# Allegro board FMDEMOD-57.brd (continued)
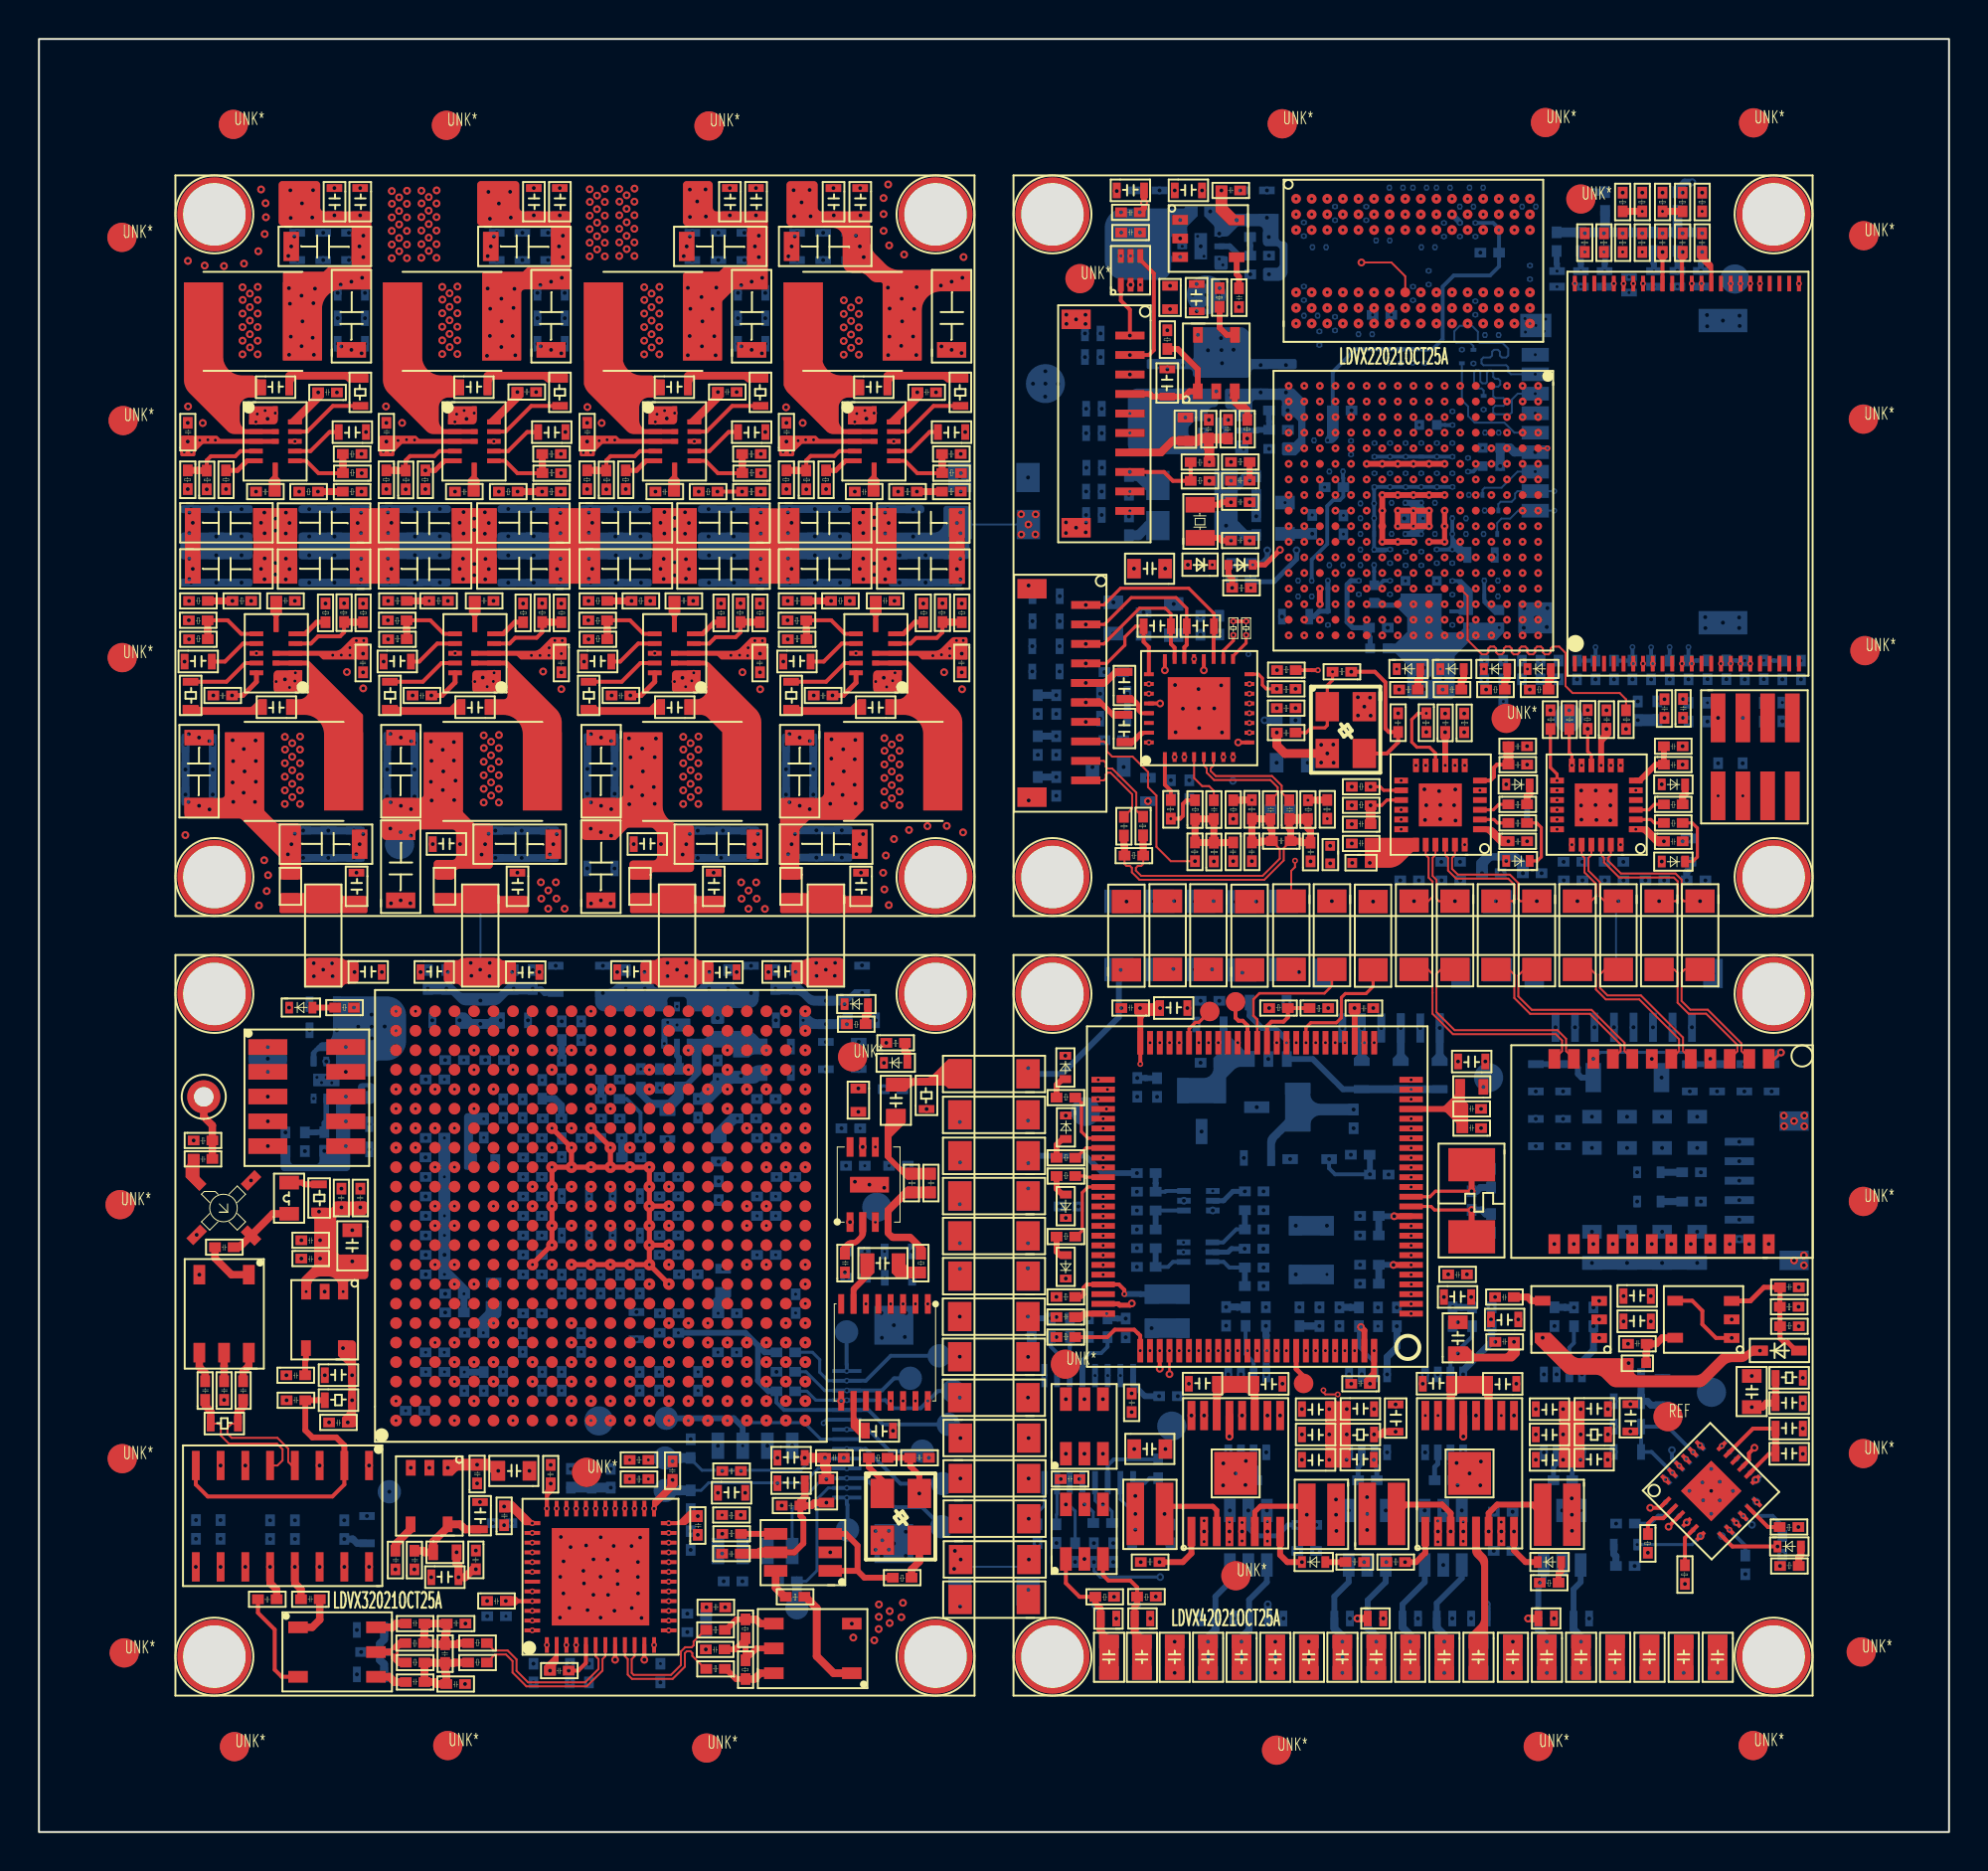
[diagram p0: board, top side]
## Nets (continued)
VDD_ARM_CAP: C323.1 C353.1 C355.1 C356.1 C357.1 U10.G9 U10.G10 U10.G11 U10.H11
VDD_COIN_3V: D2.2 R48.1 UNK3VBATTERY1.1
VDD_HIGH_CAP: C310.1 C317.1 C389.1 C396.1 U10.N6 U10.R14 U10.R15
VDD_HIGH_IN: C392.1 C405.1 L32.2 U10.N13
VDD_SNVS_3V3: C2.2 C3.2 D1.2 U1.5(\OUT\)
VDD_SNVS_IN: C363.1 D1.1(\CATHODE\) D2.1(\CATHODE\) R48.2 U10.P12
VDD_SOC_CAP: C311.1 C312.1 C313.1 C314.1 C315.1 C316.1 C320.1 C321.1 C352.1 C354.1 C358.1 U10.G8 U10.H8 U10.J8 U10.J11 U10.K8 U10.K11 U10.L8 U10.L9 U10.L10 U10.L11
VDD_SOC_IN: C295.2 C296.2 C318.1 C319.1 C324.1 C350.1 C351.1 R219.1 R221.2 R224.1 U10.H9 U10.H10 U10.J9 U10.J10 U10.K9 U10.K10 U35.1
VDD_SOC_IN_IN: C297.2 C298.2 R219.2 TP9.1(\TP\) U35.4 U35.6
VDD_SOC_IN_PWR: C8.2 C9.2 C19.2 C25.2 C40.1 C263.2 C264.2 C265.2 C275.2 C283.2 C290.2 L4.2 R19.2
VDDA_ADC_3P3: C362.1 C391.1 L28.2 U10.L13 U10.M13
232_TXD: R179.2 R345.1 R368.2
A0: U2.N3 U10.L5
A1: U2.P7 U10.H2
A2: U2.P3 U10.K1
A3: U2.N2 U10.M2
A4: U2.P8 U10.K4
A5: U2.P2 U10.L1
A6: U2.R8 U10.G2
A7: U2.R2 U10.H4
A8: U2.T8 U10.J4
A9: U2.R3 U10.L2
A10: U2.L7 U10.M4
A11: U2.R7 U10.K3
A12: U2.N7 U10.L4
A13: U2.T3 U10.H3
A14: U2.T7 U10.G1
A15: U2.M7 U10.K5
A_DEMP: U20.AA3 U24.13
A_FMT: U20.AA4 U24.15
A_MUTE: U20.AB3 U24.14
AD0: U20.Y2 U33.18
AD1: U20.Y1 U33.19
AD2: U20.W2 U33.20
AD3: U20.W1 U33.21
AD4: U20.V2 U33.22
AD5: U20.V1 U33.26
AD6: U20.U2 U33.27
AD7: U20.U1 U33.28
AD8: U20.R2 U33.32
AD9: U20.R1 U33.33
AD10: U20.P2 U33.34
AD11: U20.P1 U33.35
AD12: U20.N2 U33.39
AD13: U20.N1 U33.40
AD14: U20.M2 U33.41
AD15: U20.M1 U33.42
AD_DITH: U20.AA1 U33.17
AD_PGA: U20.R5 U33.47
AD_RAND: U20.R6 U33.46
ADC_3V3: C213.2 C214.2 C218.2 C613.2 C616.2 C637.2 C638.2 C639.2 C640.2 L22.2 U33.1 U33.3 U33.4(\VDD#4\) U33.12 U33.13 U33.14
AIN+: R194.1 U33.6
AIN-: R196.1 U33.7
ARM_ONOFF: R90.2 R119.1 U10.R8
ASDO: J9.7 TP19.1(\TP\) U20.D1 U49.5
AUD_INT: U10.P9 U15.15
AUDIO_5V: C491.2 C507.2 C508.2 C540.1 C541.2 C551.2 C552.1 L18.2 U18.3 U18.6 U24.6
AUDIO_OUT: R114.1 R138.1
BA0: U2.M2 U10.M1
BA1: U2.N8 U10.H1
BA2: U2.M3 U10.K2
BOOT0: R343.2 R344.2 U19.94
BOOT1: R134.1 R135.1 U19.37
BOOT_MODE0: R226.2 R227.2 U10.T10
BOOT_MODE1: R232.2 R233.2 U10.U10
CAS: U2.K3 U10.J2
CK0N: R211.1 U2.K7 U10.P2
CK0P: R211.2 U2.J7 U10.P1
CKE0: R199.2 U2.K9 U10.M3
CKE1: R200.2 U2.J9 U10.J3
CLK2FPGA: R177.2 U20.G1
CLK_3V3: C193.2 C204.2 C206.2 C210.2 L21.2 R166.2 U32.5(\VCC\) Y4.4(\VCC\)
CLK_AD+: R167.2 U20.T2
CLK_AD-: R169.2 U20.T1
CLKO+: R167.1 U33.30
CLKO-: R169.1 U33.29
CONF_DONE: J9.13 R375.1 TP26.1(\TP\) U20.M18
CPU_RST_FPGA: R118.1 U10.N17
CPU_RST_MCU: R281.2 U10.M15
CPU_UART1_RXD: U3.6 U10.K16
CPU_UART1_TXD: U3.3 U10.K14
CPU_UART2_RXD: R285.2 R312.1 R329.1
CPU_UART2_TXD: R284.2 R318.1 R322.1
CPU_UART3_RXD: R117.2 U10.H16
CPU_UART3_TXD: R283.2 U10.H17
CPU_UART4_RXD: R282.1 U10.G16
CPU_UART4_RXD_X: R282.2 R336.1 R376.1
CPU_UART4_TXD: R286.1 U10.G17
CPU_UART4_TXD_X: R286.2 R296.1 R330.1
CS0: U2.L2 U10.N2
CS1: U2.L1 U10.H5
D0: U2.E3 U10.T4
D1: U2.F7 U10.U6
D2: U2.F2 U10.T6
D3: U2.F8 U10.U7
D4: U2.H3 U10.U8
D5: U2.H8 U10.T8
D6: U2.G2 U10.T5
D7: U2.H7 U10.U4
D8: U2.D7 U10.U2
D9: U2.C3 U10.U3
D10: U2.C8 U10.U5
D11: U2.C2 U10.R4
D12: U2.A7 U10.P5
D13: U2.A2 U10.P3
D14: U2.B8 U10.R2
D15: U2.A3 U10.R1
DATA0: J9.9 R174.1 TP21.1(\TP\) U20.K1
DCDC_3V3: C13.1 C14.2 C15.2 C16.2 C92.2 C93.2 C247.1 C248.1 C418.1 J5.4 L11.1 L23.1 L24.1 L25.1 L26.1 L27.1 L28.1 L29.1 L30.1 L32.1 L33.1 R2.1 R3.1 R21.2 R73.1 R74.1 R82.1 R83.1 R84.1 R85.1 R90.1 R205.1 R206.1 R207.1 R208.1 R209.1 R210.1 R226.1 R232.1 R245.1 R248.1 R255.1 R257.1 R260.1 TP10.1(\TP\) U3.5(\VCC\) U9.12 U9.34 U9.37 U9.39
DCDC_3V3_PWR: C6.2 C7.2 C18.2 C24.2 C39.1 C266.2 C267.2 C268.2 C276.2 C284.2 C291.2 L3.2 R18.2
DCDC_5V: C1.2 C12.2 C21.1 C398.2 L1.1 L6.1 L31.1 R10.1 R11.1 TP8.1(\TP\) U1.1 U1.3 U4.5
DCDC_5V_PWR: C4.2 C5.2 C17.2 C23.2 C38.1 C269.2 C270.2 C271.2 C277.2 C285.2 C292.2 L2.2 R17.2
DCLK: J9.8 TP17.1(\TP\) U20.K2 U49.6
DQM0: U2.E7 U10.T7
DQM1: U2.D3 U10.T3
DRAM_1V35: C245.1 C246.1 C249.2 C250.2 C253.1 C254.1 C255.1 C256.1 C258.1 C259.1 C274.1 C278.1 C279.1 C280.1 C282.1 C286.1 C287.1 C288.1 C289.1 C293.1 C303.1 C304.1 C305.1 C306.1 C307.1 C308.1 R202.1 R204.2 R214.1 R215.2 U2.A1 U2.A8 U2.B2 U2.C1 U2.C9 U2.D2 U2.D9 U2.E9 U2.F1 U2.G7 U2.H2 U2.H9 U2.K2 U2.K8 U2.N1 U2.N9 U2.R1 U2.R9 U10.G6 U10.H6 U10.J6 U10.K6 U10.L6 U10.M6 U34.1
DRAM_1V35_IN: C251.2 C252.2 R202.2 TP5.1(\TP\) U34.4 U34.6
DRAM_1V35_PWR: C10.2 C11.2 C20.2 C26.2 C41.1 C260.2 C261.2 C262.2 L5.2 R20.2
DRAM_VREF: C257.1 C273.1 C293.2 C294.1 C299.1 C302.1 R215.1 R216.2 U2.H1 U2.M8 U10.P4
E1R+: R128.2 T1.2
E1R-: R127.2 T1.3
E1T+: R126.2 T1.5
E1T-: R125.2 T1.6
E2R+: R124.2 T1.8
E2R-: R123.2 T1.9
E2T+: R122.2 T1.11
E2T-: R121.2 T1.12
ECSPI3_CS0: R284.1 U10.J17
ECSPI3_MISO: R116.1 U10.H14
ECSPI3_MOSI: R115.1 U10.J15
ECSPI3_SCLK: R285.1 U10.J16
ENC1_A: C629.1 C629.2 D50.2 U52.3
ENC1_A_BUF: U19.24 U52.4
ENC1_B: C628.1 C628.2 D49.2 U52.1
ENC1_B_BUF: U19.23 U52.6
ENC2_A: C633.1 C633.2 D53.2 U53.3
ENC2_A_BUF: U19.90 U53.4
ENC2_B: C632.1 C632.2 D52.2 U53.1
ENC2_B_BUF: U19.91 U53.6
ENC3_A: C623.1 C623.2 D45.2 U50.3
ENC3_A_BUF: U19.42 U50.4
ENC3_B: C622.1 C622.2 D44.2 U50.1
ENC3_B_BUF: U19.40 U50.6
ENC4_A: C627.1 C627.2 D48.2 U51.3
ENC4_A_BUF: U19.60 U51.4
ENC4_B: C626.1 C626.2 D47.2 U51.1
ENC4_B_BUF: U19.59 U51.6
ENC+: R197.2 U33.9
ENC-: R192.2 U33.10
ENET1_CRS_DV: U10.E16 U17.11
ENET1_LED1: R99.1 U17.3
ENET1_LED2: R108.1 U17.2
ENET1_NINT: R265.1 U10.N8 U17.14
ENET1_NRST: C430.1 R270.1 U10.N10 U17.15
ENET1_RX+: J6.8 T1.23
ENET1_RX-: J6.7 T1.22
ENET1_RXD0: U10.F16 U17.8
ENET1_RXD1: U10.E17 U17.7
ENET1_RXER: R93.2 U10.D15 U17.10
ENET1_RXN: R127.1 R276.1 U17.22
ENET1_RXP: R128.1 R275.1 U17.23
ENET1_TX+: J6.6 T1.20
ENET1_TX-: J6.5 T1.19
ENET1_TX_CLK: R94.2 U10.F14
ENET1_TXD0: U10.E15 U17.17
ENET1_TXD1: U10.E14 U17.18
ENET1_TXEN: U10.F15 U17.16
ENET1_TXN: R125.1 R278.1 U17.20
ENET1_TXP: R126.1 R277.1 U17.21
ENET2_CRS_DV: U10.B17 U16.11
ENET2_LED1: R98.1 U16.3
ENET2_LED2: R107.1 U16.2
ENET2_NINT: R97.1 U10.N11 U16.14
ENET2_NRST: C110.1 R100.1 U10.N9 U16.15
ENET2_RX+: J6.4 T1.17
ENET2_RX-: J6.3 T1.16
ENET2_RXD0: U10.C17 U16.8
ENET2_RXD1: U10.C16 U16.7
ENET2_RXER: R95.1 U10.D16 U16.10
ENET2_RXN: R123.1 R274.1 U16.22
ENET2_RXP: R124.1 R273.1 U16.23
ENET2_TX+: J6.2 T1.14
ENET2_TX-: J6.1 T1.13
ENET2_TX_CLK: R96.2 U10.D17
ENET2_TXD0: U10.A15 U16.17
ENET2_TXD1: U10.A16 U16.18
ENET2_TXEN: U10.B15 U16.16
ENET2_TXN: R121.1 R280.1 U16.20
ENET2_TXP: R122.1 R279.1 U16.21
ENET_MDC: R91.1 U10.L16 U16.13 U17.13
ENET_MDIO: R92.1 U10.K17 U16.12 U17.12
FPGA_RST_CPU: R190.2 U20.AB7
FPGA_RST_MCU: R152.2 U20.AB9
FPGA_SPI2_CS: R147.2 U20.AA15
FPGA_SPI2_MISO: R333.2 U20.AB14
FPGA_SPI2_MOSI: R149.2 U20.AA14
FPGA_SPI2_SCLK: R325.2 U20.AB15
FPGA_SPI_CS: R318.2 U20.AB16
FPGA_SPI_MISO: R143.2 U20.AA16
FPGA_SPI_MOSI: R141.2 U20.AA17
FPGA_SPI_SCLK: R312.2 U20.AB17
FPGA_UART2_RXD: R158.2 U20.V5
FPGA_UART2_TXD: R160.2 U20.V4
FPGA_UART_RXD: R296.2 U20.AB18
FPGA_UART_TXD: R376.2 U20.Y3
GPIO1_IO1: D5.1(\CATHODE\) U10.L15
GPIO1_IO2: D6.1(\CATHODE\) U10.L14
GPIO1_IO3: D3.1(\CATHODE\) U10.L17
GPIO1_IO4: D4.1(\CATHODE\) U10.M16
HP_L: C97.1 U15.31
HP_R: C83.1 U15.29
HPD: R268.1 R269.1 U15.7
I2C2_SCL: R74.2 U10.F17 U15.17
I2C2_SDA: R73.2 U10.G13 U15.18
I2S_BCK: U20.Y4 U24.1
I2S_DATA: U20.AB5 U24.2
I2S_LRCK: U20.AA5 U24.3
I2S_SCK: U20.AB4 U24.16
IO2: J4.2 U20.A18
IO3: J4.3 U20.A17
IO4: J4.4 U20.A16
IO5: J4.5 U20.A15
IO6: J4.6 U20.B15
IO7: J4.7 U20.B16
IO8: J4.8 U20.B17
IO9: J4.9 U20.B18
LASER_TXD: R168.2 R335.1 R372.2
LCD_DATA0: R1.2 R2.2 U10.B9
LCD_DATA1: R3.2 R4.2 U10.A9
LCD_DATA2: R5.2 U10.E10
LCD_DATA3: R8.2 U10.D10
LCD_DATA4: R9.2 U10.C10
LCD_DATA5: R241.1 R242.2 U10.B10
LCD_DATA6: R237.2 R238.1 U10.A10
LCD_DATA7: R236.2 R258.1 U10.D11
LCD_DATA8: R244.2 U10.B11
LCD_DATA9: R243.2 U10.A11
LCD_DATA10: R7.2 U10.E12
LCD_DATA11: R239.2 R240.1 U10.D12
LCD_DATA12: R259.2 U10.C12
LCD_DATA13: R247.2 R248.2 U10.B12
LCD_DATA14: R245.2 R246.2 U10.A12
LCD_DATA15: R6.2 U10.D13
LCD_DATA16: R261.2 U10.C13
LCD_DATA17: R251.2 U10.B13
LCD_DATA18: R249.2 U10.A13
LCD_DATA19: R253.2 U10.D14
LCD_DATA20: R262.2 U10.C14
LCD_DATA21: R252.2 U10.B14
LCD_DATA22: R250.2 U10.A14
LCD_DATA23: R256.2 U10.B16
LDO_3V3: C207.2 C212.2 L22.1 U29.5(\OUT\)
LED1: R136.1 U20.AB20
LED2: R137.1 U20.AB19
LED3: R133.1 U20.B22
LIMIT_SW1: U19.80 U31.4
LIMIT_SW2: U19.77 U31.6
LIMIT_SW3: U19.67 U25.4
LIMIT_SW4: U19.70 U25.6
M1_DRV+: C226.1 C226.2 U26.2
M1_DRV-: C227.1 C227.2 U26.4
M1_I_ADC: C567.1 R339.2 U19.17
M1_PWM+: U19.64 U26.10
M1_PWM-: U19.35 U26.9
M2_DRV+: C229.1 C229.2 U26.7
M2_DRV-: C228.1 C228.2 U26.5
M2_I_ADC: C574.1 R342.2 U19.16
M2_PWM+: U19.65 U26.16
M2_PWM-: U19.36 U26.15
M3_DRV+: C232.1 C232.2 U27.2
M3_DRV-: C233.1 C233.2 U27.4
M3_I_ADC: C571.1 R341.2 U19.15
M3_PWM+: U19.44 U27.16
M3_PWM-: U19.43 U27.15
M4_DRV+: C235.1 C235.2 U27.7
M4_DRV-: C234.1 C234.2 U27.5
M4_I_ADC: C569.1 R340.2 U19.18
M4_PWM+: U19.63 U27.9
M4_PWM-: U19.32 U27.10
MCU_LED1: R144.1 U19.58
MCU_LED2: R140.1 U19.57
MCU_LED3: R150.1 U19.62
MCU_LED4: R145.1 U19.61
MCU_RST_CPU: R120.1 R190.1 R309.1 U19.33
MCU_RST_FPGA: R155.1 R328.1 U19.66
MCU_SPI2_MISO: R333.1 U19.53
MCU_SPI2_MOSI: R149.1 U19.54
MCU_SPI2_NSS: R147.1 U19.51
MCU_SPI2_SCK: R325.1 U19.52
MCU_UART1_RXD: R283.1 U19.69
MCU_UART1_TXD: R117.1 U19.68
MCU_UART3_RXD: R331.1 U19.56
MCU_UART3_TXD: R324.1 U19.55
MCU_UART4_RXD: R160.1 R338.1 U19.79
MCU_UART4_TXD: R158.1 R332.1 U19.78
MIC1_IN: J2.8 R111.2 R114.2
MIC1P: C107.2 U15.4
MIC2N: C108.2 U15.5
MIC2N_IN: J2.9 R110.1
MIC2N_IN2: C108.1 C111.2 C122.1 R104.2 R110.2 R113.1
MIC2P: C109.2 U15.6
MIC2P_IN: J2.10 R109.2
MIC2P_IN2: C109.1 C111.1 C123.2 R105.1 R109.1 R113.2
MICBIAS: R101.1 U15.1
MSEL0: R314.1 R319.2 U20.M17
MSEL1: R307.2 R311.1 U20.L18
MSEL2: R310.1 R313.2 U20.L17
MSEL3: R294.2 R295.1 U20.K20
NAND_ALE: U9.17 U10.B4
NAND_CLE: U9.16 U10.A4
NAND_D0: U9.29 U10.D7
NAND_D1: U9.30 U10.B7
NAND_D2: U9.31 U10.A7
NAND_D3: U9.32 U10.D6
NAND_D4: U9.41 U10.C6
NAND_D5: U9.42 U10.B6
NAND_D6: U9.43 U10.A6
NAND_D7: U9.44 U10.A5
NAND_DQS: U9.35 U10.E6
NAND_NCE0: R255.2 U9.9 U10.C5
NAND_NRDY: R257.2 U9.7 U10.A3
NAND_NRE: U9.8 U10.D8
NAND_NWE: U9.18 U10.C8
NAND_NWP: R260.2 U9.19(\W\\P\\\) U10.D5
NCE: J9.10 R357.1 TP20.1(\TP\) U20.L3
NCONFIG: J9.11 R362.1 TP22.1(\TP\) U20.K5
NCSO: J9.12 TP24.1(\TP\) U20.E2 U49.1
NFAULT12: D20.1(\CATHODE\) U19.87 U26.8
NFAULT34: D21.1(\CATHODE\) U19.89 U27.8
NRST_CPU: C46.1 R21.1 R120.2 U10.P8(\P\\O\\R\\\)
NRST_FPGA: R155.2 R337.2 U20.AB8
NRST_MCU: C504.2 D40.2(\K\) R152.1 R281.1 R323.2 U19.14
NSLEEP12: R180.1 U19.71 U26.1
NSLEEP34: R182.1 U19.88 U27.1
NSTATUS: R351.2 U20.K6
NVCC_CSI: C300.1 L23.2 U10.F4
NVCC_ENET: C393.1 C400.1 L30.2 U10.F13
NVCC_GPIO: C360.1 L27.2 U10.J13
NVCC_LCD: C388.1 C395.1 L29.2 U10.E13
NVCC_NAND: C309.2 L25.2 U10.E7
NVCC_SD: C301.1 L24.2 U10.C4
NVCC_UART: C359.1 L26.2 U10.H13
ODT0: U2.K1 U10.N1
ODT1: U2.J1 U10.F1
OSCIN: C527.2 R326.1 U19.12 Y3.2
OSCOUT: C513.2 R326.2 U19.13 Y3.1
PHY1_3V3: C113.1 C444.1 L34.2 R275.2 R276.2 R277.2 R278.2 U17.1 U17.19
PHY2_3V3: C112.1 C114.1 L12.2 R273.2 R274.2 R279.2 R280.2 U16.1 U16.19
PHY_UART_RX1: R165.2 R348.1 R371.2
PMIC_ON_REQ: R225.2 U10.T9
POWER_GOOD: R32.1 R44.2 R45.1 R46.2 R47.1 U6.5 U7.9 U8.9
PT100-1: J7.2 R299.2 U19.29
PT100-2: J7.4 R298.2 U19.30
PT100-3: J7.6 R297.2 U19.31
RAS: U2.J3 U10.M5
RSSI: C605.1 TP23.1(\TP\) U30.16
RST_B: R213.2 U2.T2 U10.G4
SAI2_BCLK: U10.N16 U15.12
SAI2_MCLK: U10.P14 U15.11
SAI2_RXD: R81.1 U10.M14 U15.16
SAI2_SYNC: U10.N15 U15.13
SAI2_TXD: U10.N14 U15.14
SD1_CD: D31.1 J5.9 R210.2 U10.J14
SD1_CLK: R218.1 U10.C1
SD1_CMD: R229.1 U10.C2
SD1_DATA0: R220.1 U10.B3
SD1_DATA1: R217.1 U10.B2
SD1_DATA2: R235.1 U10.B1
SD1_DATA3: R230.1 U10.A2
SDQS0N: C281.2 U2.G3 U10.P7
SDQS0P: C281.1 U2.F3 U10.P6
SDQS1N: C272.2 U2.B7 U10.T2
SDQS1P: C272.1 U2.C7 U10.T1
SDWE: U2.L3 U10.J1
SMTR1_ADEC: U19.86 U48.19
SMTR1_DEC0: U19.97 U48.22
SMTR1_DEC1: U19.95 U48.24
SMTR1_DIR: U19.85 U48.13
SMTR1_I0: U19.93 U48.20
SMTR1_I1: U19.98 U48.21
SMTR1_M0: U19.82 U48.8
SMTR1_M1: U19.83 U48.9
SMTR1_NFAULT: D43.1(\CATHODE\) U19.81 U48.7
SMTR1_NSLEEP: U19.96 U48.23
SMTR1_PWM: U19.25 U48.12
SMTR1_TOFF_SEL: U19.84 U48.10
SMTR2_ADEC: U19.48 U28.19
SMTR2_DEC0: U19.7 U28.22
SMTR2_DEC1: U19.4 U28.24
SMTR2_DIR: U19.47 U28.13
SMTR2_I0: U19.9 U28.20
SMTR2_I1: U19.8 U28.21
SMTR2_M0: U19.1 U28.8
SMTR2_M1: U19.2 U28.9
SMTR2_NFAULT: D19.1(\CATHODE\) U19.46 U28.7
SMTR2_NSLEEP: U19.5 U28.23
SMTR2_PWM: U19.26 U28.12
SMTR2_TOFF_SEL: U19.3 U28.10
SPK_LN: C73.2 C406.2 J2.3 U15.23
SPK_LP: C73.1 C407.2 J2.4 U15.25
SPK_RN: C74.2 C394.1 J2.1 U15.19
SPK_RP: C74.1 C402.1 J2.2 U15.22
STEP1A_DRV1: C618.1 C618.2 U48.1
STEP1A_DRV2: C619.1 C619.2 U48.3
STEP1B_DRV1: C621.1 C621.2 U48.6
STEP1B_DRV2: C620.1 C620.2 U48.4
STEP2A_DRV1: C238.1 C238.2 U28.1
STEP2A_DRV2: C239.1 C239.2 U28.3
STEP2B_DRV1: C241.1 C241.2 U28.6
STEP2B_DRV2: C240.1 C240.2 U28.4
SWCLK: C576.1 C576.2 R157.1 U19.76
SWDIO: C560.1 C560.2 R153.1 U19.72
TCK: J9.3 R353.2 TP15.1(\TP\) U20.L2
TDI: J9.4 R356.2 TP16.1(\TP\) U20.L5
TDO: J9.1 TP13.1(\TP\) U20.L4
TMS: J9.2 R352.2 TP14.1(\TP\) U20.L1
TTL_TXD: R175.2 R350.1 R369.2
USB_OTG1_DN: D38.1 J1.9 U10.T15
USB_OTG1_DP: D39.1 J1.10 U10.U15
USB_OTG1_ID: D37.1 J1.8 R22.1 R39.2 U10.K13
USB_OTG1_VBUS: C36.2 C37.2 C390.2 J1.7 L6.2 R22.2 U10.T12
USB_OTG2_DN: D35.2 J1.5 U10.T13
USB_OTG2_DP: D36.2 J1.6 U10.U13
USB_OTG2_VBUS: C361.2 L1.2 U10.U12
USB_VBUS: C27.1 J1.4 R11.2 U4.1(\OUT\)
VCOM: C242.1 C615.1 C617.1 C641.1 R193.1 R195.2 T4.4 U33.2
VDPL1: C563.2 L40.1 U20.U6
VDPL2: C490.2 L39.1 U20.E17
VDPL3: C577.2 L41.1 U20.F6
VDPL4: C485.2 L38.1 U20.V17
VENET_3V3: C94.1 C96.1 D7.2 D8.2 D9.2 D10.2 L11.2 L12.1 L34.1 R91.2 R92.2 R95.2 R97.2 R100.2 R265.2 R270.2 U16.9 U17.9
VMTR1: C178.1 C179.1 C187.1 C194.1 C195.1 R163.2 U26.12
VMTR2: C180.1 C181.1 C188.1 C196.1 C197.1 R164.2 U27.12
VREF_2V5: C487.2 R320.2 U19.21 U39.1 U39.2(\REF\)
VSMTR1: C590.1 C592.1 R354.1 U48.15
VSMTR2: C174.1 C177.1 R159.1 U28.15
XTALI: C95.2 R80.1 U10.T16 Y2.3
XTALO: C98.2 R80.2 U10.T17 Y2.1
ZQ0: R203.1 U2.L8(\ZQ\)
ZQ1: R201.1 U2.L9
ZQPAD: R223.2 U10.N4
N01539: C166.2 C167.2 U26.11(\VREF\) U26.14
N02684: R170.2 U26.3 U46.4
N02906: R171.2 U26.6 U45.4
N04940: D20.2 R181.2
N07800: R360.1 U45.2
N07815: R360.2 U45.3
N08892: R361.1 U46.2
N08904: R361.2 U46.3
N10404: R339.1 U46.7(\VOUT\)
N11136: R342.1 U45.7(\VOUT\)
N27735: C169.2 C170.2 U27.11(\VREF\) U27.14
N27979: R172.2 U27.3 U44.4
N28117: R173.2 U27.6 U43.4
N28299: R358.1 U43.2
N28303: R358.2 U43.3
N28307: R359.1 U44.2
N28311: R359.2 U44.3
N28637: D21.2 R186.2
N28731: R340.1 U43.7(\VOUT\)
N28759: R341.1 U44.7(\VOUT\)
N30927: R370.1 U48.2
N30933: R373.1 U48.5
N33222: C594.1 C595.1 U48.14(\VREF\) U48.17
N38076: R363.1 U48.11
N39890: D43.2 R374.1
N41862: C185.1 C190.1 U28.14(\VREF\) U28.17
N42130: R178.1 U28.2
N42224: R184.1 U28.5
N42300: R176.1 U28.11
N42416: D19.2 R183.1
N50111: C154.2 D18.1 R154.1 R156.2 U22.3
N52095: C163.1 L20.1 U22.5
N57048: C472.2 R291.2 U37.3 U40.1 U40.2(\REF\)
N57288: R297.1 R298.1 R299.1 U37.1 U37.4
N4007879: C349.1 U10.N12
N4008796: C397.1 C399.1 U10.P13
N4087915: C51.2 U10.T11 Y1.2
N4087935: C60.2 U10.U11 Y1.1
N4129499: D3.2 R82.2
N4198004: C322.2 C348.2 U10.R12
N4201231: C424.1 U15.3
N4201841: C425.1 U15.2
N4206925: R79.1 U10.P15
N4209990: R271.2 U17.24
N4216158: D8.1(\CATHODE\) R99.2
N4216162: D10.1(\CATHODE\) R108.2
N4216453: C100.1 C101.1 U17.6
N4219956: R94.1 U17.5
N4226540: D7.1(\CATHODE\) R98.2
N4226544: D9.1(\CATHODE\) R107.2
N4226630: C99.1 C102.1 U16.6
N4226754: R272.2 U16.24
N4226762: R96.1 U16.5
N4244964: C476.2 T1.1
N4245046: C497.2 T1.10
N4245050: C477.2 T1.4
N4245054: C496.2 T1.7
N4254817: R300.1 T1.24
N4254839: R301.1 T1.21
N4254858: R302.1 T1.18
N4255061: R303.1 T1.15
N4255753: C475.1 R300.2 R301.2 R302.2 R303.2
N4905822: C157.2 U21.4
N4949904: D4.2 R83.2
N4950154: D5.2 R84.2
N4950158: D6.2 R85.2
N4962302: R10.2 U4.4
N4962318: R16.1 U4.3
N4966591: C431.1 R105.2 R106.1
N4966598: C431.2 R103.2 R104.1
N4966923: R101.2 R102.2 R106.2
N4969505: C409.1 C411.1 U15.27(\VMID\)
N4971120: C107.1 C121.1 R102.1 R111.1 R112.2
N4987405: C224.1 C224.2 D22.2 R187.1 U31.3
N4987412: C223.1 C223.2 D25.2 R189.1 U31.1
N6029558: C635.1 C635.2 D54.2 R377.1 U25.3
N6029565: C636.1 C636.2 D55.2 R378.1 U25.1
N6357472: C97.2 C417.1 J2.6 R264.1
N6357497: C83.2 C410.1 J2.5 R254.1
N7057664: J3.1 R267.1
N7057668: J3.2 R266.1
N7060478: J3.7 R238.2 R240.2
N7060523: J3.8 R241.2 R258.2
N7084975: D26.1 J5.1 R205.2 R235.2
N7085009: D27.1 J5.2 R206.2 R230.2
N7085027: D28.1 J5.3 R207.2 R229.2
N7085069: D32.1 J5.5 R218.2
N7085119: D29.1 J5.7 R208.2 R220.2
N7085137: D30.1 J5.8 R209.2 R217.2
N7099288: D33.1 J1.1 U3.1
N7119824: C596.1 U47.1
N7119928: C601.1 U47.4
N7119940: C607.1 U47.2
N7119964: C596.2 U47.3
N7119992: C611.1 U47.6
N7120000: C601.2 U47.5
N7120004: R322.2 R324.2 U41.3
N7132397: R371.1 U47.14
N7132401: R368.1 U47.7
N7132405: R372.1 U47.13
N7132409: R369.1 U47.8
N7132815: R349.2 R350.2 U42.3
N7132819: R334.2 R335.2 U42.1
N7301618: R329.2 R331.2 U42.4
N7301681: R330.2 R332.2 U41.1
N7301693: R336.2 R338.2 U42.6
N7303091: R346.1 U47.11
N7303129: R347.1 U47.10
N7303150: R349.1 U47.12
N7303177: R334.1 U47.9
N7304159: R345.2 R346.2 U41.4
N7304177: R347.2 R348.2 U41.6
N7355971: R115.2 R141.1
N7356015: R116.2 R143.1
N7356169: R118.2 R337.1
N7362382: D41.2 R321.1
N7362412: D42.2 R327.1
N7424382: C144.1 R146.1 R151.2 U18.4
N7424390: C140.1 C144.2 R146.2 U18.5
N7424630: C140.2 R138.2 R139.2
N7424650: C186.2 U24.10
N7424654: C152.1 U24.7
N7424662: C152.2 R151.1
N7424742: C151.2 U18.2
N7454523: R174.2 U49.2
N7455499: D11.2 R136.2
N7455557: D13.2 R137.2
N7467286: C589.2 R355.2 U20.E4
N7498655: C211.2 U29.4
N7538451: R293.1 U20.L22
N7578107: C143.2 R142.2 TP3.1(\TP\)
N7578654: A1.1 C143.1
N7578935: A1.3(\OUT\) C149.2 L19.1
N7579108: L19.2 R148.1
N7579398: C149.1 T2.1
N7579484: C172.2 T2.4
N7579488: C171.2 T2.3
N7579492: C173.2 T2.5
N7579615: C173.1 R162.2 U30.4
N7579629: C171.1 R162.1 U30.5
N7580116: C175.1 R161.1 U30.2 U30.8
N7580344: R367.2 U30.9
N7580738: C605.2 U30.10
N7580852: C604.1 R364.1 U30.15(\VPS2\)
N7581076: C216.2 R365.1 U30.13
N7581083: C215.2 R366.1 U30.12
N7581207: C216.1 T4.1
N7581229: C215.1 T4.2
N7581273: C219.2 T4.5
N7581277: C243.2 T4.3
N7581373: C222.2 C243.1 C244.1 R195.1 R196.2
N7581387: C219.1 C220.2 C222.1 R193.2 R194.2
N7586253: R166.1 Y4.1
N7586496: R185.2 Y4.3
N7586806: R185.1 U32.1 U32.3
N7587007: R177.1 U32.4
N7587454: R188.1 U32.6
N7587591: R188.2 T3.1
N7587990: C221.2 R191.2 R198.1 T3.4
N7588005: R197.1 R198.2 T3.5
N7588017: R191.1 R192.1 T3.3
N7598294: C164.2 U23.4
N7767499: R119.2 U19.38
N7869909: D34.1 J1.2 U3.4
N7921484: D12.2 R133.2
N7936310: D15.2 R144.2
N7936621: D14.2 R140.2
N7936920: D17.2 R150.2
N7937230: D16.2 R145.2
N8000282: TP4.1(\TP\) U19.92
N8000304: TP2.1(\TP\) U19.45
N8000357: TP1.1(\TP\) U19.39
N8015227: R227.1 R228.1
N8015335: R233.1 R234.1
N8184194: R27.1 R28.2 U5.4
N8184251: R40.2 R41.1 U5.9
N8184327: C35.2 R29.2 U5.11
N8184405: R29.1 U5.5
N8184729: C47.2 U5.6
N8185005: R12.1 U5.10
N8185024: C28.1 L2.1 U5.2 U5.13
N8185070: C28.2 R12.2
N8185163: C38.2 U5.8
N8185326: R17.1 R23.2 U5.7
N8189530: R13.1 U6.10
N8189538: C29.2 R13.2
N8189634: C29.1 L3.1 U6.2 U6.13
N8189912: R30.1 R31.2 U6.4
N8189916: R42.2 R43.1 R225.1 U6.9
N8189928: C39.2 U6.8
N8189952: R18.1 R24.2 U6.7
N8190068: C32.2 R32.2 U6.11
N8190080: C48.2 U6.6
N8193321: R14.1 U7.10
N8193329: C30.2 R14.2
N8193425: C30.1 L4.1 U7.2 U7.13
N8193703: R33.1 R34.2 U7.4
N8193719: C40.2 U7.8
N8193743: R19.1 R25.2 U7.7
N8193859: C33.2 R35.2 U7.11
N8193871: C49.2 U7.6
N8193943: R35.1 U7.5
N8195603: R15.1 U8.10
N8195611: C31.2 R15.2
N8195707: C31.1 L5.1 U8.2 U8.13
N8195985: R36.1 R37.2 U8.4
N8196001: C41.2 U8.8
N8196025: R20.1 R26.2 U8.7
N8196141: C34.2 R38.2 U8.11
N8196153: C50.2 U8.6
N8196225: R38.1 U8.5
N8196940: R58.2 R59.1 U11.4
N8196944: R49.1 R50.2 U11.9
N8196950: C84.2 R57.2 U11.11
N8196956: R57.1 U11.5
N8196998: C69.2 U11.6
N8197004: R86.1 U11.10
N8197008: C88.1 L7.1 U11.2 U11.13
N8197018: C88.2 R86.2
N8197022: C75.2 U11.8
N8197032: R69.2 R75.1 U11.7
N8197074: R87.1 U12.10
N8197078: C89.2 R87.2
N8197098: C89.1 L8.1 U12.2 U12.13
N8197146: R61.2 R62.1 U12.4
N8197148: R51.1 R52.2 U12.9
N8197154: C76.2 U12.8
N8197166: R70.2 R76.1 U12.7
N8197176: C85.2 R60.2 U12.11
N8197182: C70.2 U12.6
N8197194: R60.1 U12.5
N8197218: R88.1 U13.10
N8197222: C90.2 R88.2
N8197242: C90.1 L9.1 U13.2 U13.13
N8197290: R64.2 R65.1 U13.4
N8197292: R53.1 R54.2 U13.9
N8197298: C77.2 U13.8
N8197310: R71.2 R77.1 U13.7
N8197320: C86.2 R63.2 U13.11
N8197326: C71.2 U13.6
N8197338: R63.1 U13.5
N8197362: R89.1 U14.10
N8197366: C91.2 R89.2
N8197386: C91.1 L10.1 U14.2 U14.13
N8197434: R67.2 R68.1 U14.4
N8197436: R55.1 R56.2 U14.9
N8197442: C78.2 U14.8
N8197454: R72.2 R78.1 U14.7
N8197464: C87.2 R66.2 U14.11
N8197470: C72.2 U14.6
N8197482: R66.1 U14.5
N8200614: C126.2 L13.2 R129.1
N8200858: C127.2 L14.2 R130.1
N8201027: C128.2 L15.2 R131.1
N8201165: C129.2 L16.2 R132.1
N8206279: C22.2 U1.4
N8420934: R204.1 R212.2 U34.2
N8425431: R214.2 U34.5(\PG\)
N8429190: R224.2 U35.5(\PG\)
N8429316: R221.1 R222.2 U35.2
N8449814: R317.2 U38.5(\PG\)
N8449940: R315.1 R316.2 U38.2
N8561901: R306.2 U36.5(\PG\)
N8561999: R304.1 R305.2 U36.2

Pads without a net: J3 3 4 5 6; U9 1 2 3 4 5 6 10 11 14 15 20 21 22 23 24 26 27 28 33 38 40 45 46 47; U10 A8 B5 B8 C9 D1 D2 D3 D4 D9 E1 E2 E3 E4 E5 E9 F2 F3 F5 G14 H15 K15 M17 P10 P11 P16 P17 R6 R9 R10 R13 U9 U16; U15 30; U16 4; U17 4; U18 8; U19 41 73; U20 A3 A4 A5 A6 A7 A8 A9 A10 A11 A12 A13 A14 A19 A20 AA7 AA8 AA9 AA10 AA11 AA12 AA13 AA18 AA19 AA20 AA21 AB10 AB11 AB12 AB13 B1 B2 B3 B4 B5 B6 B7 B8 B9 B10 B11 B12 B13 B14 B19 B20 B21 C1 C2 C3 C4 C6 C7 C8 C10 C13 C15 C17 C19 C20 C21 C22 D2 D6 D7 D10 D13 D15 D17 D19 D20 D21 D22 E1 E3 E5 E6 E7 E9 E10 E11 E12 E13 E14 E15 E16 E21 E22 F1 F2 F7 F8 F9 F10 F11 F13 F14 F15 F16 F17 F19 F20 F21 F22 G3 G4 G5 G7 G8 G9 G10 G11 G13 G14 G15 G16 G17 G18 G21 G22 H1 H2 H5 H6 H7 H8 H10 H11 H14 H15 H16 H17 H18 H19 H20 H21 H22 J1 J2 J3 J4 J5 J6 J7 J8 J17 J18 J21 J22 K7 K8 K17 K18 K19 K21 K22 L6 L7 L8 L21 M3 M4 M5 M6 M7 M8 M16 M19 M20 M21 M22 N5 N6 N7 N8 N16 N17 N18 N19 N20 N21 N22 P3 P4 P5 P6 P7 P15 P16 P17 P20 P21 P22 R7 R14 R15 R16 R17 R18 R19 R20 R21 R22 T3 T4 T5 T7 T8 T9 T10 T11 T12 T13 T14 T15 T16 T17 T18 T21 T22 U7 U8 U9 U10 U11 U12 U13 U14 U15 U16 U17 U19 U20 U21 U22 V3 V6 V7 V8 V9 V10 V11 V12 V13 V14 V15 V16 V21 V22 W6 W7 W8 W10 W13 W14 W15 W17 W19 W20 W21 W22 Y6 Y7 Y8 Y10 Y13 Y17 Y21 Y22; U24 5 8 11 12; U28 16; U33 43; U48 16

## Via types
v1: diameter 0.3, hole 0.15, TOP to PWR-L6, 212 vias
v2: diameter 0.3, hole 0.15, PWR-L6 to BOTTOM, 166 vias
v3: diameter 0.4, hole 0.2, TOP to PWR-L6, 442 vias
v4: diameter 0.4, hole 0.2, PWR-L6 to BOTTOM, 265 vias
v5: diameter 0.3, hole 0.15, SIGNAL-L3 to BOTTOM, 15 vias
v6: diameter 0.4, hole 0.2, SIGNAL-L8 to BOTTOM, 41 vias
v7: diameter 0.3, hole 0.15, SIGNAL-L8 to BOTTOM, 21 vias
v8: diameter 0.3, hole 0.15, TOP to SIGNAL-L3, 171 vias
v9: diameter 0.4, hole 0.2, TOP to SIGNAL-L3, 90 vias
v10: diameter 0.4, hole 0.2, TOP to SIGNAL-L4, 68 vias
v11: diameter 0.4, hole 0.2, TOP to SIGNAL-L8, 21 vias
v12: diameter 0.4, hole 0.2, SIGNAL-L3 to BOTTOM, 42 vias
v13: diameter 0.3, hole 0.15, TOP to SIGNAL-L7, 129 vias
v14: diameter 0.4, hole 0.2, SIGNAL-L7 to BOTTOM, 30 vias
v15: diameter 0.3, hole 0.15, TOP to SIGNAL-L4, 134 vias
v16: diameter 0.4, hole 0.2, SIGNAL-L4 to BOTTOM, 42 vias
v17: diameter 0.3, hole 0.15, TOP to SIGNAL-L8, 78 vias
v18: diameter 0.4, hole 0.2, TOP to SIGNAL-L7, 12 vias
v19: diameter 0.3, hole 0.15, SIGNAL-L7 to BOTTOM, 34 vias
v20: diameter 0.4, hole 0.2, TOP to BOTTOM, 320 vias
v21: diameter 0.4, hole 0.2, GND-L9 to BOTTOM, 402 vias
v22: diameter 0.3, hole 0.15, TOP to BOTTOM, 1 via
v23: diameter 0.3, hole 0.15, SIGNAL-L4 to BOTTOM, 10 vias
v24: diameter 0.3, hole 0.15, TOP to GND-L2, 185 vias
v25: diameter 0.4, hole 0.2, TOP to GND-L2, 379 vias
v26: diameter 0.4, hole 0.2, TOP to GND-L9, 77 vias
v27: diameter 0.4, hole 0.2, TOP to GND-L5, 3 vias
v28: diameter 0.3, hole 0.15, TOP to GND-L9, 4 vias
v29: diameter 0.3, hole 0.15, TOP to GND-L5, 1 via
v30: diameter 0.4, hole 0.2, GND-L2 to BOTTOM, 27 vias
v31: diameter 0.3, hole 0.15, GND-L9 to BOTTOM, 169 vias

## Routing (per net, layer and track width the routed paths; a pad name or vN(x,y) marks a point on that pad's centre or on a via; arc(x,y) is an arc through that point)
1V2_FPGA:
  vias: v3(38.83,44.12) v3(39.87,44.6) v3(39.89,43.93) v3(40.37,44.25) v3(40.85,44.6) v3(40.84,43.93) v4(37.78,43.27) v4(38.75,43.27) v4(40.38,42.65) v4(42.23,43.05)
